# Altium PCB tester_board.PcbDoc (part 1 of 4) (continued)
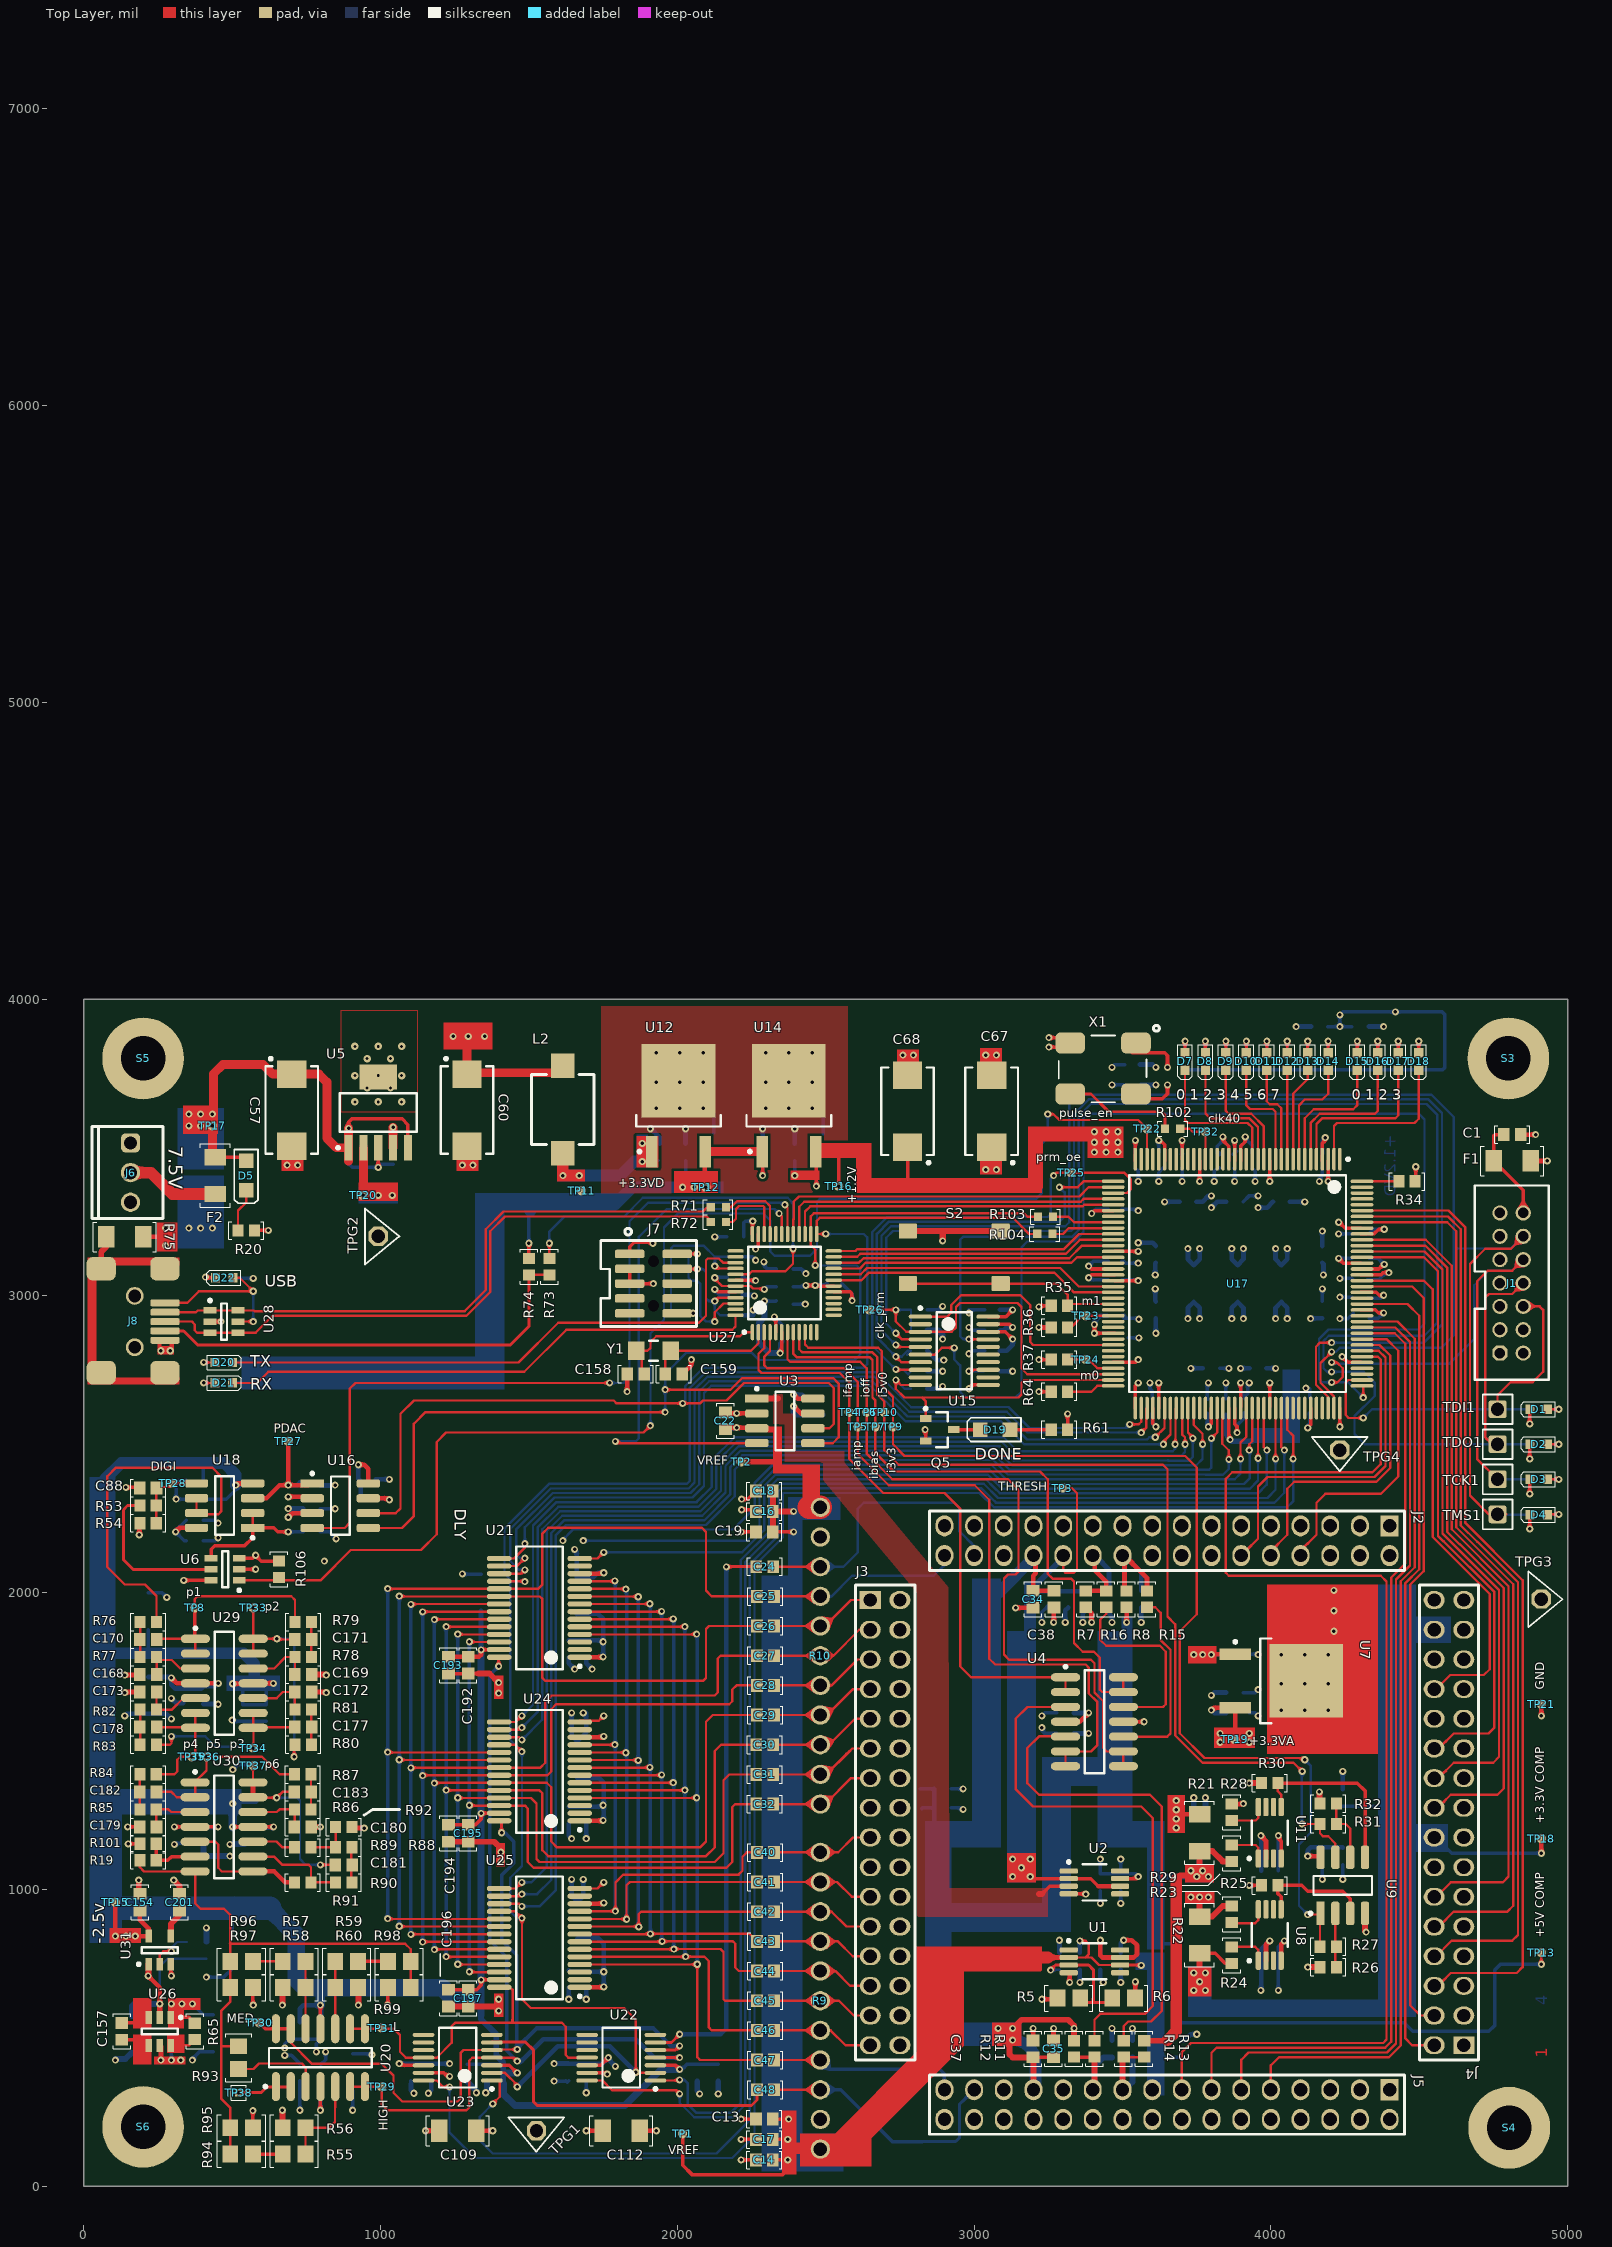
[diagram p0: Top Layer view]
## Components (designator, comment, footprint, x,y, rotation, side; value= is the part's Value field where it differs from the comment) (continued)
D15 "Vishay/TLMS1000-GS08" LED0603 4291.34,3789.37 r270 top locked
D16 "Vishay/TLMS1000-GS08" LED0603 4360.24,3789.37 r270 top locked
D17 "Vishay/TLMS1000-GS08" LED0603 4429.13,3789.37 r270 top locked
D18 "Vishay/TLMS1000-GS08" LED0603 4498.03,3789.37 r270 top locked
D19 "LITEON/LTST-C171KRKT" LED0805 3070.87,2549.21 r180 top
D20 "LITEON/LTST-C191KGKT" LED0603 472.44,2775.59 r0 top locked
D21 "Vishay/TLMO1000-GS08" LED0603 472.44,2706.69 r0 top locked
D22 "Vishay/TLMS1000-GS08" LED0603 472.44,3061.02 r180 top
F1 "Littelfuse/1206L" R1206 4812.99,3454.72 r180 top locked
F2 "Littelfuse/1206L" R1206 442.91,3405.51 r90 top locked
J1 "Molex/87831-1420" "MOLEX MILLIGRID 7X2" 4771.65,3279.53 r0 top
J2 "HEADER 02x16 RCPT" "HEADER 02X16" 4400,2225 r270 top locked
J3 "HEADER 02x16 RCPT" "HEADER 02X16" 2650,1975 r0 top
J4 "HEADER 02x16 RCPT" "HEADER 02X16" 4650,475 r180 top locked
J5 "HEADER 02x16 RCPT" "HEADER 02X16" 4400,325 r270 top
J6 "TE/640456-3" "CON 3X1" 157.48,3415.35 r0 top
J7 "TSH-105-01" SAMTEC/FTSH-105-XX-XXX-DV-A 1919.29,3041.34 r270 top locked
J8 "Samtec MUSB-05-S-B-SM-A" MUSB-05-S-B-SM-A 167.32,2913.39 r270 top locked
L2 "MURATA 83223C" MURATA-8300 1614.17,3775.31 r0 top
Q5 "BSS138" SOT23 2883.86,2549.21 r0 top
R1 "1k" R0603 4901.57,2618.11 r0 bottom locked
R2 "1k" R0603 4901.57,2500 r0 bottom locked
R3 "1k" R0603 4901.57,2381.89 r0 bottom locked
R4 "1k" R0603 4901.57,2262.39 r0 bottom locked
R5 "200Z" R0805 3318.9,633.86 r0 top
R6 "510Z" R0805 3503.94,633.86 r180 top
R7 "130k" R0603 3375.98,1978.35 r90 top
R8 "510k" R0603 3513.78,1978.35 r270 top
R9 "4.7k" SIP-11 2481.89,125 r180 top locked
R10 "4.7k" SIP-11 2481.89,2287.5 r0 top locked
R11 "10k" R0603 3405.51,462.6 r90 top locked
R12 "390k" R0603 3336.61,462.6 r270 top
R13 "75k" R0603 3572.83,462.6 r90 top
R14 "10k" R0603 3503.94,462.6 r90 top locked
R15 "10k" R0603 3582.68,1978.35 r270 top
R16 "10k" R0603 3444.88,1978.35 r270 top locked
R19 "10k" R0603 216.54,1098.43 r180 top
R20 "1k" R0603 547.24,3220.47 r180 top
R21 "0.01Z" R1206 3759.84,1190.95 r270 top locked
R22 "0.01Z" R1206 3759.84,846.46 r270 top locked
R23 "100Z" R0603 3868.11,916.34 r270 top locked
R24 "100Z" R0603 3868.11,778.54 r90 top locked
R25 "10k" R0603 3996.06,1013.78 r0 top locked
R26 "1k" R0603 4192.91,738.19 r0 top locked
R27 "10k" R0603 4192.91,807.09 r0 top locked
R28 "100Z" R0603 3868.11,1259.84 r270 top locked
R29 "100Z" R0603 3868.11,1122.05 r90 top locked
R30 "10k" R0603 3996.06,1358.27 r0 top locked
R31 "10k" R0603 4192.91,1220.47 r0 top locked
R32 "1k" R0603 4192.91,1289.37 r0 top locked
R33 "330Z" R0603 3061.02,2746.06 r180 bottom locked
R34 "0Z" R0603 4458.66,3385.83 r180 top locked
R35 "4.7k" R0603 3287.4,2966.77 r180 top locked
R36 "0Z" R0603 3287.4,2893.7 r180 top locked
R37 "0Z" R0603 3287.4,2785.43 r180 top locked
R38 "4.7k" R0603 2814.96,2746.06 r0 bottom locked
R39 "160Z" R0603 2814.96,2883.86 r180 bottom locked
R40 "160Z" R0603 2814.96,2952.76 r180 bottom
R41 "1k" R0603 3710.63,3789.37 r90 bottom locked
R42 "1k" R0603 3779.53,3789.37 r90 bottom locked
R43 "1k" R0603 3848.43,3789.37 r90 bottom locked
R44 "1k" R0603 3917.32,3789.37 r90 bottom locked
R45 "1k" R0603 3986.22,3789.37 r90 bottom locked
R46 "1k" R0603 4055.12,3789.37 r90 bottom locked
R47 "1k" R0603 4124.02,3789.37 r90 bottom locked
R48 "1k" R0603 4192.91,3789.37 r90 bottom locked
R49 "1k" R0603 4291.34,3789.37 r90 bottom locked
R50 "1k" R0603 4360.24,3789.37 r90 bottom locked
R51 "1k" R0603 4429.13,3789.37 r90 bottom locked
R52 "1k" R0603 4498.03,3789.37 r90 bottom locked
R53 "160Z" R0603 216.54,2293.31 r0 top locked
R54 "160Z" R0603 216.54,2234.25 r0 top locked
R55 "0Z" R0805 708.66,108.27 r0 top
R56 "14k" R0805 708.66,196.85 r0 top
R57 "91Z" R0805 708.66,757.87 r0 top
R58 "7.5k" R0805 708.66,669.29 r0 top
R59 "909Z" R0805 885.83,757.87 r0 top
R60 "6.8k" R0805 885.83,669.29 r180 top
R61 "1k" R0603 3287.4,2549.21 r180 top
R62 "330Z" R0603 2814.96,2687.01 r0 bottom locked
R63 "4.7k" R0603 2814.96,2814.96 r0 bottom locked
R64 "4.7k" R0603 3287.4,2677.17 r180 top locked
R65 "4.7k" R0603 374.02,521.65 r90 top locked
R66 "4.7k" R0603 2194.09,3131.64 r0 bottom locked
R67 "1k" R0603 472.44,2775.59 r180 bottom locked
R68 "1k" R0603 472.44,2706.69 r180 bottom locked
R69 "4.7k" R0603 2196.06,2934.79 r180 bottom locked
R70 "1k" R0603 472.44,3059.06 r180 bottom
R71 "22Z" R0402 2137.5,3298.97 r0 top locked
R72 "22Z" R0402 2137.5,3248.97 r0 top locked
R73 "330Z" R0603 1568.9,3098.43 r90 top
R74 "4.7k" R0603 1500,3098.43 r90 top
R75 "0.01Z" R1206 137.8,3198.82 r0 top
R76 "160Z" R0603 217.52,1901.18 r180 top locked
R77 "160Z" R0603 217.52,1783.07 r0 top locked
R78 "160Z" R0603 739.17,1783.07 r180 top locked
R79 "160Z" R0603 739.17,1901.18 r0 top locked
R80 "160Z" R0603 739.17,1487.8 r0 top locked
R81 "160Z" R0603 739.17,1605.91 r180 top locked
R82 "160Z" R0603 217.52,1605.91 r0 top locked
R83 "160Z" R0603 217.52,1487.8 r180 top locked
R84 "160Z" R0603 216.54,1387.8 r180 top locked
R85 "160Z" R0603 216.54,1269.68 r0 top locked
R86 "160Z" R0603 738.19,1269.68 r180 top locked
R87 "160Z" R0603 738.19,1387.8 r0 top locked
R88 "4.7k" R0603 875.98,1141.73 r180 top locked
R89 "4.7k" R0603 738.19,1141.73 r180 top locked
R90 "10k" R0603 738.19,1023.62 r0 top locked
R91 "10k" R0603 875.98,1023.62 r180 top locked
R92 "0Z" R0603 875.98,1210.63 r180 top locked
R93 "4.7k" R0805 521.65,433.07 r270 top
R94 "3.48k" R0805 531.5,108.27 r0 top
R95 "14k" R0805 531.5,196.85 r180 top
R96 "10k" R0805 531.5,757.87 r0 top
R97 "7.5k" R0805 531.5,669.29 r180 top
R98 "12k" R0805 1062.99,757.87 r180 top
R99 "6.8k" R0805 1062.99,669.29 r0 top
R100 "4.7k" R0603 346.46,795.28 r270 bottom
R101 "10k" R0603 216.54,1153.54 r180 top
R102 "22Z" R0402 3669.29,3562.99 r180 top
R103 "22Z" R0402 3240.16,3266.73 r0 top
R104 "22Z" R0402 3238.19,3208.66 r0 top
R106 "4.7k" R0603 657.48,2078.74 r270 top
S2 "PTS645SM43SMTR92 LFS" "C&K PTS645" 2933.07,3129.92 r180 top locked
S3 "STANDOFF #4" "STANDOFF #4" 4800,3800 r90 top locked
S4 "STANDOFF #4" "STANDOFF #4" 4803.15,196.85 r90 top locked
S5 "STANDOFF #4" "STANDOFF #4" 200,3800 r90 top locked
S6 "STANDOFF #4" "STANDOFF #4" 200,200 r90 top locked
TCK1 "TP" TP 4763.78,2381.89 r90 top locked
TDI1 "TP" TP 4763.78,2618.11 r90 top locked
TDO1 "TP" TP 4763.78,2500 r90 top locked
TMS1 "TP" TP 4763.78,2263.78 r90 top locked
TP1 "VREF" TP_MICRO 2017.72,177.17 r90 top
TP2 "VREF" TP_MICRO 2214.57,2440.94 r90 top
TP3 "THRESH" TP_MICRO 3297.24,2352.36 r90 top
TP4 "ifamp" TP_MICRO 2578.74,2608.27 r90 top
TP5 "iamp" TP_MICRO 2608.27,2559.06 r90 top
TP6 "ioff" TP_MICRO 2637.8,2608.27 r180 top
TP7 "ibias" TP_MICRO 2667.32,2559.06 r90 top
TP8 "p1" TP_MICRO 374.02,1948.82 r90 top
TP9 "i3v3" TP_MICRO 2726.38,2559.06 r180 top
TP10 "i5v0" TP_MICRO 2696.85,2608.27 r180 top
TP11 "+5VD" TP_MICRO 1677.17,3354.33 r90 top
TP12 "+3.3VD" TP_MICRO 2096.46,3366.14 r90 top
TP13 "+5V COMP" TP_MICRO 4911.42,787.4 r90 top
TP15 "-2.5v" TP_MICRO 106.3,956.69 r0 top
TP16 "+1.2V" TP_MICRO 2543.31,3370.08 r90 top
TP17 "Power" TP_MICRO 433.07,3572.83 r90 top
TP18 "+3.3V COMP" TP_MICRO 4911.42,1171.26 r90 top
TP19 "+3.3VA" TP_MICRO 3877.95,1505.91 r0 top
TP20 "+5VA" TP_MICRO 940.94,3338.58 r90 top
TP21 "GND" TP_MICRO 4911.42,1624.02 r180 top
TP22 "pulse_en" TP_MICRO 3582.68,3562.99 r90 top
TP23 "m1" TP_MICRO 3375.98,2933.07 r90 top
TP24 "m0" TP_MICRO 3375.98,2785.43 r90 top
TP25 "prm_oe" TP_MICRO 3326.77,3415.35 r90 top
TP26 "clk_prm" TP_MICRO 2647.64,2952.76 r90 top
TP27 "PDAC" TP_MICRO 688.98,2509.84 r90 top
TP28 "DIGI" TP_MICRO 299.41,2368.31 r90 top
TP29 "HIGH" TP_MICRO 1003.94,334.65 r90 top
TP30 "MED" TP_MICRO 590.55,551.18 r180 top
TP31 "L" TP_MICRO 1003.94,532.98 r180 top
TP32 "clk40" TP_MICRO 3779.53,3553.15 r90 top
TP33 "p2" TP_MICRO 570.87,1948.82 r90 top
TP34 "p3" TP_MICRO 570.87,1476.38 r90 top
TP35 "p4" TP_MICRO 364.08,1446.95 r180 top
TP36 "p5" TP_MICRO 413.39,1446.85 r180 top
TP37 "p6" TP_MICRO 570.87,1417.32 r180 top
TP38 "TP_SMALL" TP_SMALL 521.65,314.96 r90 top
TPG1 "TPG" TPG 1525.59,187.01 r0 top
TPG2 "TPG" TPG 992.13,3200.79 r90 top
TPG3 "TPG" TPG 4911.42,1978.35 r90 top
TPG4 "TPG" TPG 4232.28,2480.31 r0 top
U1 "AD8655" MSOP-8 3405.51,757.87 r0 top locked
U2 "AD8655" MSOP-8 3405.51,1023.62 r0 top locked
U3 "AD5551" SOIC-8 2362.2,2578.74 r0 top locked
U4 "LM6154" SOIC-14 3405.51,1564.96 r0 top locked
U5 "REG104 5.0V" SOT223-6 992.13,3618.11 r90 top
U6 "ADG719" SOT23-6 476.38,2078.74 r180 top
U7 "AP7363-33D-13" TO252-2(3) 4045.28,1702.76 r0 top locked
U8 "LT6105" MSOP-8 3996.06,846.46 r90 top locked
U9 "LM6152" SOIC-8 4242.13,1013.78 r90 top locked
U11 "LT6105" MSOP-8 3996.06,1190.95 r90 top locked
U12 "AP7363-33D-13" TO252-2(3) 2003.94,3651.57 r90 top locked
U14 "AP7363-12D-13" TO252-2(3) 2375.98,3651.57 r90 top
U15 "XCF04SVOG20C" R-PDSO-G20 2933.07,2814.96 r0 top locked
U16 "AD5551" SOIC-8 864.17,2292.95 r0 top locked
U17 "XC6SLX4-2TQG144C" TQFP-144 3887.8,3041.34 r270 top locked
U18 "LT6203" SOIC-8 474.41,2293.31 r180 top locked
U20 "LT6204" SOIC-14 797.24,433.07 r90 top locked
U21 "ADG1406" SSOP-28 1535.43,1948.82 r180 top locked
U22 "ADG1404" TSSOP-14 1811.02,433.07 r180 top locked
U23 "ADG1404" TSSOP-14 1259.84,433.07 r180 top locked
U24 "ADG1406" SSOP-28 1535.43,1397.64 r180 top locked
U25 "ADG1406" SSOP-28 1535.43,836.61 r180 top locked
U26 "LTC1983-5" sot23-6 255.91,521.65 r270 top locked
U27 "SAMD21G18A-AUT" TSQFP50P900X900X120-48N 2361.42,3043.06 r90 top locked
U28 "SP3051" SOT23-6 472.44,2913.39 r0 top locked
U29 "LT6204" SOIC-14 473.43,1694.49 r0 top locked
U30 "LT6204" SOIC-14 472.44,1210.63 r0 top locked
U31 "TPS72325DBVR" SOT23-5 255.91,795.28 r90 top
X1 "ASV-40.000MHZ-EJ-T" XTAL-SMD 3437.01,3763.78 r180 top
Y1 "32.768 kHz" "ABRACON ABS07" 1919.29,2814.96 r180 top locked

## Footprints (in the part's own frame and the unit in brackets; to place one, negate y for a bottom-side part, rotate by r counter-clockwise, add the part's x,y. Pads: shape width x height; smd on the part's side, far side on the other; paste and mask are expansions set on the pad)
"ABRACON ABS07" [mm] "Crystal Oscillator, 3.2x1.5mm"
  rect 1.4x1.55 smd: 1(-1.475,0) 2(1.475,0)
  silkscreen extent -0.38,-0.85 0.38,0.85, body extent -1.87,-0.8 1.87,0.8, height 0.9
C0603 [mm] "Chip Capacitor, 2-Leads, Body 1.60x0.85mm, IPC Low Density"
  rect 1x1.1 smd: 1(-0.725,0) 2(0.725,0)
  silkscreen extent -1.5,-0.75 1.5,0.75, body extent -0.87,-0.48 0.87,0.48, height 0.55
C1206 [mm] "Chip Capacitor, 2-Leads, Body 3.27x1.60mm, IPC Low Density"
  rect 1.4x1.9 smd: 1(-1.575,0) 2(1.575,0)
  silkscreen extent -2.7,-1.27 2.7,1.27, body extent -1.7,-0.87 1.7,0.87, height 1.75
c1206 [mm] "Chip Capacitor, 2-Leads, Body 3.27x1.60mm, IPC Low Density"
  rect 1.4x1.9 smd: 1(-1.575,0) 2(1.575,0)
  silkscreen extent -2.7,-1.27 2.7,1.27, body extent -1.7,-0.87 1.7,0.87, height 1.75
C2917_POLAR [mm] "Molded Capacitor, 2-Leads, Body 7.30x4.35mm, IPC Medium Density"
  rect 2.35x2.5 smd: 1(3.075,0) 2(-3.075,0)
  silkscreen extent -3.75,-2.25 4.52,2.25, body extent -3.97,-2.25 3.97,2.25, height 4.4
"C&K PTS645" [mm] "PCB Switches"
  rrect15% 1.55x1.3 smd: 1(-3.975,2.25) 2(3.975,2.25) 3(-3.975,-2.25) 4(3.975,-2.25)
  body extent -4.5,-3 4.5,3, height 4.3
"CON 3X1" [mil]
  rrect50% 65x65 hole 45: 1(0,100)
  round 65 hole 45: 2(0,0) 3(0,-100)
  silkscreen extent -130,-155 110,155, body extent -125,-150 105,150, height 395
"DIODE SMB" [mm] "Molded Diode, 2-Leads, Body 5.40x3.63mm, IPC Medium Density"
  rect 2.45x2.15 smd: A(-2.075,0) K(2.075,0)
  silkscreen extent -2.8,-2 3.57,2, body extent -3.02,-1.98 3.02,1.97, height 2.47
"HEADER 02X16" [mil]
  rect 70.87x60 hole 45: 1(0,0)
  oval 70.87x60 hole 45: 2(100,0) 3(0,-100) 4(100,-100) 5(0,-200) 6(100,-200) 7(0,-300) 8(100,-300) 9(0,-400) 10(100,-400) 11(0,-500) 12(100,-500) 13(0,-600) 14(100,-600) 15(0,-700) 16(100,-700) 17(0,-800) 18(100,-800) 19(0,-900) 20(100,-900) 21(0,-1000) 22(100,-1000) 23(0,-1100) 24(100,-1100) 25(0,-1200) 26(100,-1200) 27(0,-1300) 28(100,-1300) 29(0,-1400) 30(100,-1400) 31(0,-1500) 32(100,-1500)
  silkscreen extent -50,-1550 150,50
LED0603 [mm] "CHIP-LED0603"
  rect 0.8x0.8 smd: A(-0.77,0) C(0.73,0)
  silkscreen extent -1.43,-0.64 1.49,0.64, body extent -0.86,-0.38 0.79,0.38, height 1.1
LED0805 [mm] "CHIP-LED0805"
  rect 1.25x1.25 smd: A(-1.27,0) C(1.27,0)
  silkscreen extent -2.22,-1.02 2.38,1.02, body extent -0.98,-0.64 1.05,0.64, height 1.1
"MOLEX MILLIGRID 7X2" [mm]
  round 1.3 hole 0.9: 1(0,0) 2(2,0) 3(0,-2) 4(2,-2) 5(0,-4) 6(2,-4) 7(0,-6) 8(2,-6) 9(0,-8) 10(2,-8) 11(0,-10) 12(2,-10) 14(2,-12)
  oct 1.3x1.3 hole 0.9: 13(0,-12)
  silkscreen extent -2.16,-14.29 4.19,2.35, body extent -2.13,-14.29 4.17,2.36, height 6.5
MSOP-8 [mm]
  rrect50% 1.55x0.45 smd: 1(-2.2,0.975) 2(-2.2,0.325) 3(-2.2,-0.325) 4(-2.2,-0.975) 5(2.2,-0.975) 6(2.2,-0.325) 7(2.2,0.325) 8(2.2,0.975)
  silkscreen extent -2.32,-1.55 1.02,1.87, body extent -1.55,-1.55 1.55,1.55, height 0.86
MURATA-8300 [mm] "Murata 8300"
  rect 2x2.1 smd: 1(0,0) 2(0,-7.493)
  silkscreen extent -2.67,-6.73 2.67,-0.76, body extent -2.46,-7.48 2.54,0.12, height 1.68
MUSB-05-S-B-SM-A [mm]
  rrect50% 0.6x2.5 smd: 1(-1.6,2.699) 2(-0.8,2.699) 3(0,2.699) 4(0.8,2.699) 5(1.6,2.699)
  rrect50% 2x2.5 smd: 6(-4.521,2.688) 6(-4.521,-2.762) 6(4.369,2.688) 6(4.369,-2.762)
  round 1.524 hole 1.1: ""(-2.201,0.108) ""(2.199,0.108)
  body extent -5,-5.73 5,3.77, height 3.9
R0402 [mm] "Chip Resistor, 2-Leads, Body 1.00x0.50mm, IPC Low Density"
  rect 0.7x0.72 smd: 1(-0.64,0) 2(0.66,0)
  silkscreen extent -1.27,-0.64 1.27,0.64, body extent -0.53,-0.28 0.53,0.28, height 0.55
R0603 [mm] "Chip Resistor, 2-Leads, Body 1.60x0.85mm, IPC Low Density"
  rect 0.95x1.05 smd: 1(-0.7,0) 2(0.7,0)
  silkscreen extent -1.5,-0.75 1.5,0.75, body extent -0.87,-0.48 0.87,0.48, height 0.55
R0805 [mm] "Chip Resistor, 2-Leads, Body 2.00x1.25mm, IPC Low Density"
  rect 1.35x1.45 smd: 1(-0.975,0) 2(0.975,0)
  silkscreen extent -2.06,-1.11 2.06,1.11, body extent -1.1,-0.67 1.1,0.67, height 0.6
R1206 [mm] "Chip Resistor, 2-Leads, Body 3.27x1.60mm, IPC Low Density"
  rect 1.4x1.85 smd: 1(-1.575,0) 2(1.575,0)
  silkscreen extent -2.7,-1.27 2.7,1.27, body extent -1.7,-0.87 1.7,0.88, height 0.7
R-PDSO-G20 [mm] "TI R-PDSO-G20 Plastic Small Outline 20"
  oval 2x0.35 smd: 1(-2.9,2.925) 2(-2.9,2.275) 3(-2.9,1.625) 4(-2.9,0.975) 5(-2.9,0.325) 6(-2.9,-0.325) 7(-2.9,-0.975) 8(-2.9,-1.625) 9(-2.9,-2.275) 10(-2.9,-2.925) 11(2.9,-2.925) 12(2.9,-2.275) 13(2.9,-1.625) 14(2.9,-0.975) 15(2.9,-0.325) 16(2.9,0.325) 17(2.9,0.975) 18(2.9,1.625) 19(2.9,2.275) 20(2.9,2.925)
  silkscreen extent -3.02,-3.3 1.5,3.77, body extent -2.25,-3.3 2.25,3.3, height 1.2
SAMTEC/FTSH-105-XX-XXX-DV-A [mil]
  rrect50% 29x100 smd mask+2: 1(-100,-80) 2(-100,80) 3(-50,-80) 4(-50,80) 5(0,-80) 6(0,80) 7(50,-80) 8(50,80) 9(100,-80) 10(100,80)
  round 0 hole 38 unplated: MH1(-75,0) MH2(75,0)
  silkscreen extent -186,-177 145,145
SIP-11 [mil]
  round 65 hole 45: 1(0,0) 2(0,-100) 3(0,-200) 4(0,-300) 5(0,-400) 6(0,-500) 7(0,-600) 8(0,-700) 9(0,-800) 10(0,-900) 11(0,-1000)
SOIC-8 [mm] "SOIC, 8-Leads, Body 4.90x3.90mm, Pitch 1.27mm, IPC Low Density"
  rect 2x0.7 smd: 1(-2.4,1.905)
  rrect50% 2x0.7 smd: 2(-2.4,0.635) 3(-2.4,-0.635) 4(-2.4,-1.905) 5(2.4,-1.905) 6(2.4,-0.635) 7(2.4,0.635) 8(2.4,1.905)
  silkscreen extent -2.52,-2.5 0.8,2.88, body extent -2,-2.5 2,2.5, height 1.75
SOIC-14 [mm] "SOIC, 14-Leads, Body 8.65x3.90mm, Pitch 1.27mm, IPC Low Density"
  oval 2.5x0.7 smd: 1(-2.475,3.81) 2(-2.475,2.54) 3(-2.475,1.27) 4(-2.475,0) 5(-2.475,-1.27) 6(-2.475,-2.54) 7(-2.475,-3.81) 8(2.475,-3.81) 9(2.475,-2.54) 10(2.475,-1.27) 11(2.475,0) 12(2.475,1.27) 13(2.475,2.54) 14(2.475,3.81)
  silkscreen extent -2.6,-4.4 0.83,4.83, body extent -2,-4.4 2,4.4, height 1.75
SOT23 [mm] "SOT23, 3-Leads, Body 2.92x2.37mm, Pitch 0.95mm, IPC Medium Density"
  rect 1x0.6 smd: 1(-1.2,0.95) 2(-1.2,-0.95) 3(1.2,0)
  silkscreen extent -1.32,-1.5 0.7,1.92, body extent -0.7,-1.52 0.7,1.52, height 1.11
SOT23-5 [mm]
  rect 1.1x0.559 smd: 1(-1.2,0.95) 2(-1.2,0) 3(-1.2,-0.95) 4(1.2,-0.95) 5(1.2,0.95)
  silkscreen extent -1.32,-1.55 0.25,1.92, body extent -0.87,-1.52 0.87,1.53, height 1.45
SOT23-6 [mm]
  rect 1.1x0.559 smd: 1(-1.2,0.95) 2(-1.2,0) 3(-1.2,-0.95) 4(1.2,-0.95) 5(1.2,0) 6(1.2,0.95)
  silkscreen extent -1.33,-1.55 0.25,1.92, body extent -0.87,-1.52 0.87,1.53, height 1.45
sot23-6 [mm]
  rect 1.1x0.559 smd: 1(-1.2,0.95) 2(-1.2,0) 3(-1.2,-0.95) 4(1.2,-0.95) 5(1.2,0) 6(1.2,0.95)
  silkscreen extent -1.32,-1.55 0.25,1.93, body extent -0.87,-1.52 0.87,1.53, height 1.45
SOT223-6 [mm]
  rect 2.15x0.7 smd: 1(-3.025,2.54) 2(-3.025,1.27) 3(-3.025,0) 4(-3.025,-1.27) 5(-3.025,-2.54)
  rect 2.15x3.2 smd: 6(3.025,0)
  silkscreen extent -3.15,-3.3 1.65,3.56, body extent -1.78,-3.27 1.78,3.27, height 1.8
SSOP-28 [mm]
  oval 2.1x0.45 smd: 1(-3.45,4.225) 2(-3.45,3.575) 3(-3.45,2.925) 4(-3.45,2.275) 5(-3.45,1.625) 6(-3.45,0.975) 7(-3.45,0.325) 8(-3.45,-0.325) 9(-3.45,-0.975) 10(-3.45,-1.625) 11(-3.45,-2.275) 12(-3.45,-2.925) 13(-3.45,-3.575) 14(-3.45,-4.225) 15(3.45,-4.225) 16(3.45,-3.575) 17(3.45,-2.925) 18(3.45,-2.275) 19(3.45,-1.625) 20(3.45,-0.975) 21(3.45,-0.325) 22(3.45,0.325) 23(3.45,0.975) 24(3.45,1.625) 25(3.45,2.275) 26(3.45,2.925) 27(3.45,3.575) 28(3.45,4.225)
  silkscreen extent -3.58,-5.25 2,5.25, body extent -2.8,-5.25 2.8,5.25, height 2
"STANDOFF #4" [mm]
  round 7 hole 3.81: HS1(0,0)
TO252-2(3) [mm] "D-PAK, 3-Pads, Body 6.20x6.71mm (max), IPC Medium Density"
  rect 2.7x1 smd: 1(-4.2,2.29) 3(-4.2,-2.29)
  rect 6.3x6.3 smd: 2(1.875,0)
  silkscreen extent -4.32,-3.62 -1.1,3.62, body extent -5.17,-3.35 4.93,3.35, height 2.38
TP [mil]
  rrect25% 60x60 hole 45: 1(0,0)
  silkscreen extent -50,-50 50,50
TP_MICRO [mm]
  round 0.8 smd: 1(0,0)
TP_SMALL [mm]
  rrect25% 0.635x0.635 hole 0.3: 1(0,0)
  silkscreen extent -0.64,-0.64 0.64,0.64